# Altium PCB HACK_LINK_V1_new_power.PcbDoc (part 2 of 6)
Units mm, origin at the board's own origin, x right, y up, seen from the top; angles counter-clockwise.
Board outline 67.51 x 40.01 mm, 6 copper layers (L1, L2, L3, GND, POWER, L6); 277 components, 286 nets, 1682 pads, 596 vias.
Unrouted connection lines stored in the file: 4.
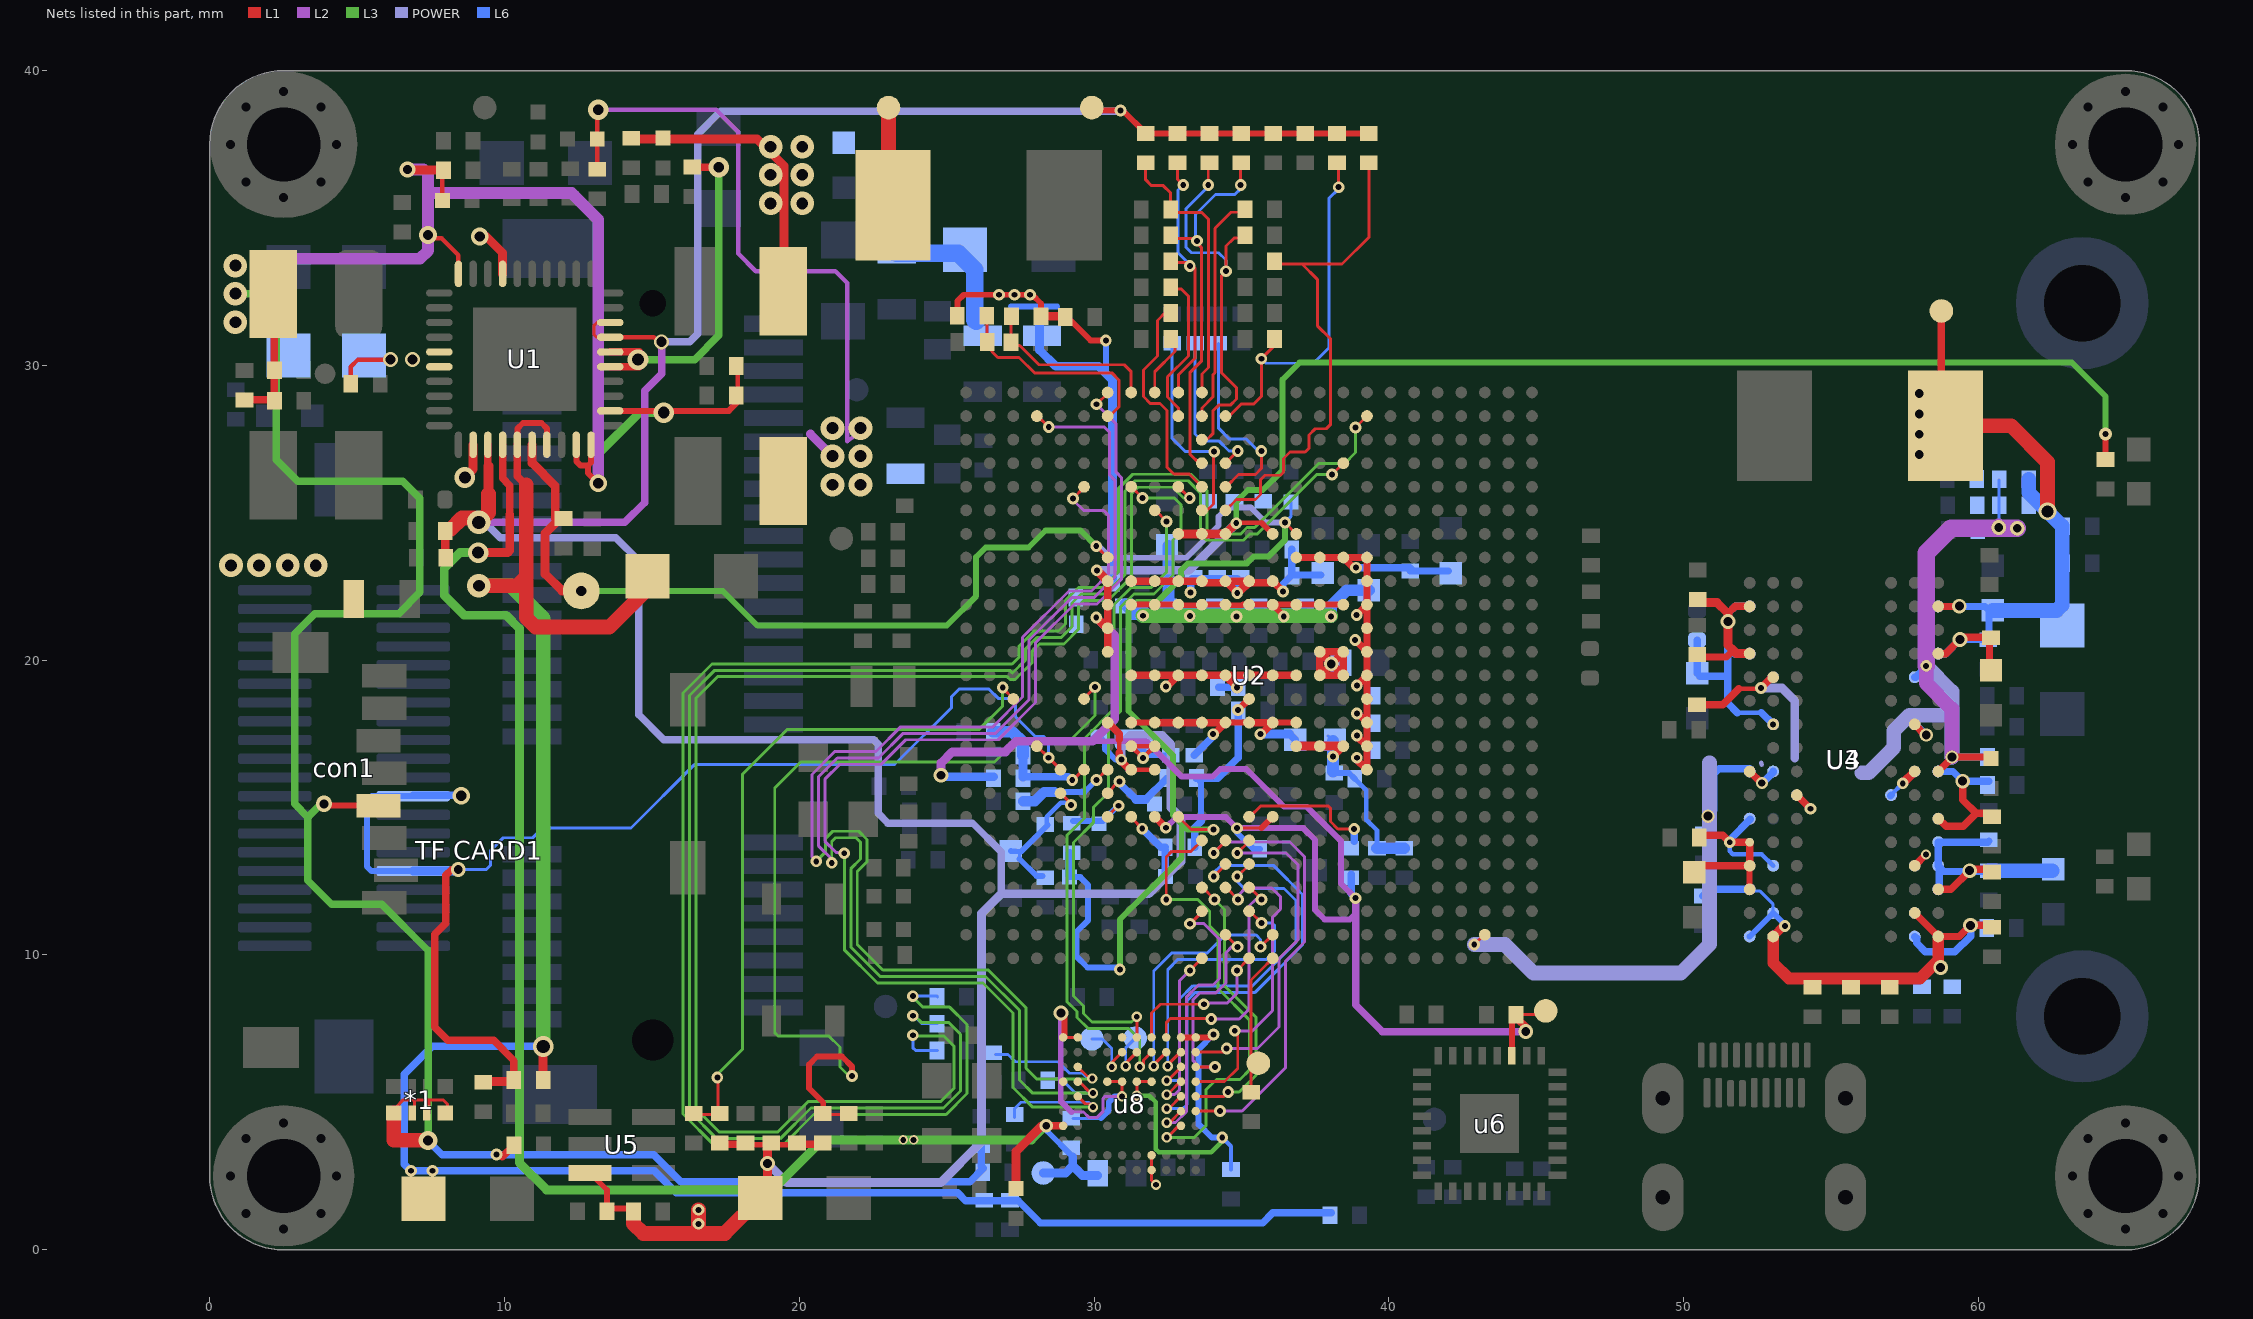
[diagram p6: the nets of this part, all layers, seen from the top]

## Part data
2: library part TSX-3225
*1: library part 0402_4R
+2V5 +3V0 +3V3 A_1V375 D_1V5 H_1V8 S_1V375 TP3 TP4 TP5 TP6: library part TESTLOOP, "TEST POINT PAD 0.5MM DIA SMT, NO PART TO ORDER"
C1 C2 C3 C4 C6 C9 C11 C12: library part C3216X5R1A107M, "CAP CER 100UF 10V X5R 20% 1206"
C5 C7 C8 C10 c13 C14 C15 C16 C17 C18 C27 C28 C29 C30 C31 C32 C33 C34 C35 C36 C37 C38 C39 C40 C41 C43 C46 C69 C70 C71 C72 C74 C75 C76 C78 C79 C80 C82 C83 C84 C85 C87 C88 C89 C90 C91 C95 C96 C97 C98 C99 C101 C103 C104 C106 C107 C108 C109 C110 C115 C116 C117 C118 C119 C120 C121 C122 C123 C124 C125 C126 C127 C128 C129 C132: library part C1005X5R1E224M, "CAP CER .22UF 25V X5R 20% 0402"
C19 C20 C26 C44 C47 C48 C49 c57 C58 C59 C64 C65 C67 C68: library part C1005X5R1H104K, "CAP CER .10UF 50V X5R 10% 0402"
C21: library part C1608X5R0J106M, "CAP CER 10UF 6.3V X5R 20% 0603"
C22: library part "Cap Pol1", "Polarized Capacitor (Radial)"
C23 C24 C25 C73 C77 C81 C86 C92 C93 C94 C100 C114 C130 C131: library part GRM188R60G226MEA0L, "CAP CER 22UF 4V 20% X5R 0603"
C42 C45: library part C1005X5R1A475M, "CAP CER 4.7UF 10V 20% X5R 0402"
C50 C54: library part CAP_NP, "CAP CER 4.7UF 6.3V 10% X5R 0603"
C52 C53 C56: library part CAP_NP, "CAP CER 100uF 10V 20% X5R 1206"
C55: library part CAP_NP, "CAP CER 0.1UF 16V 10% X7R 0402"
C60 C61 C62 C63 C133 C134 C135: library part C1005C0G1H180J, "CAP CER 18PF 50V C0G 5% 0402"
C66: library part GRM31CR6YA106KA12L, "CAP CER 10UF 35V X5R 1206"
C105 C111 C112: library part C2012X5R1C226K, "CAP CER 22UF 16V 10% X5R 0805"
D1 D2: "Typical INFRARED GaAs LED"
F1: library part "Fuse 1", "Fuse"
FB1: library part BLM18SG221TN1D, "FERRITE CHIP 220 OHM 2500MA 0603"
J1: library part MINI_PCI_LATCH_52P, "CON 2X26 MINI PCI EXPRESS SMT 0.8MM SP 1136H"
L1 L2 L3 L4: library part VLCF4020T-100MR85, "INDUCTOR POWER 10UH .85A SMD"
R1 R2 R3 R4 R5 R6 R7 R8 R9 R10 R11 R12 R13 R14 R15 R16 R17 R18 R19 R20 R39 R41 R65 R66: library part RC0402FR-0739KL, "RES 39.0K OHM 1/16W 1% 0402 SMD"
R21 R22 R32: library part CRCW0402200RFKED, "RES 200 OHM 1/16W 1% 0402 SMD"
R23 R24 R35 R36 R40 R42 R54 R83 R84 R96 R97: library part RC0402FR-0710KL, "RES 10.0K OHM 1/16W 1% 0402 SMD"
R25 R26 R27 R28 R29: library part RMCF0402FT240R, "RES TF 240 OHM 1% 0.0625W 0402"
R30 R31 R55: library part RC0402JR-070RL, "RES 0.0 OHM 1/16W 0402 SMD"
R33 R34: library part RC0402FR-0749R9L, "RES 49.9 OHM 1/16W 1% 0402 SMD"
R37 R38 R43: library part RC0402FR-0722RL, "RES 22.0 OHM 1/16W 1% 0402 SMD"
R44 R46 R47 R48 R49: library part RMCF0402FT100K, "RES 100K OHM 1/16W 1% 0402 SMD"
R45: library part RC0402FR-071KL, "RES 1.00K OHM 1/16W 1% 0402 SMD"
R50: library part CRCW04022M20FKED, "RES 2.20M OHM 1/16W 1% 0402 SMD"
R51 R52: library part Res1, "Resistor"
R53 R85 R95: library part RMCF0402FT4K99, "RES TF 4.99K OHM 1% 1/16W 0402"
R56: library part CRCW04022R20FKED, "RES 2.20 OHM 1/16W 1% 0402 SMD"
R57: library part RC0402FR-0710RL, "RES 10.0 OHM 1/16W 1% 0402 SMD"
R58 R59 R60 R61 R62 R63 R64 R67 R68 R69 R70 R71 R72 R73 R74 R105 R106: library part RC0402FR-071RL, "RES 1.00 OHM 1/16W 1% 0402 SM"
R75 R76 R77 R78 R79 R80 R81 R82: library part RES, "RES MF ZERO OHM 1/10W -- 0402"
R86 R87 R88 R89 R90 R91 R92 R93 R94 R98 R99 R100 R101 R102 R103 R104: library part RES, "RES MF 4.70K 1/16W 1% 0402"
SH1 SH2: library part RES_SHORT-2, "SOLDER SHORT 0805  SMT NO PART TO ORDER"
SW2: library part EDGE_MOUNT_PB_SW_2, "SW SPST NO PB 2.2N SIDE 12V 50MA SMT"
"TF CARD1": library part 47352-1001
TP1 TP_PCI_E_VCC1: library part "Test pad", "TEST POINT PAD 35 MIL SMT, NO PART TO ORDER"
U2: "IC MCU 32BIT ARM QUAD 624FCBGA"
U3 U4: library part 2G_DDR3_SDRAM_128MX16_96P, "IC MEM DDR3 SDRAM 2Gb 128MX16 1.35V FBGA96"
U5: library part TPS3808G09DBVR, "IC VOLT SUPERVISOR 0.9V SOT23-6"
Y1: library part ABS06-32.768KHZ-9-1-T, "CRYSTAL 32.768 KHZ 9.0 PF SMD"

## Free pads (board coordinates)
  round 4.8 hole 2.5: 0(2.5,2.5) 0(65,2.5) 0(65,37.5)
  round 5 hole 2.5: 0(2.5,37.5)
  round 0.8 smd: 0(21.425,24.125)
  round 4.5 smd far side: 3(63.529,7.915) 3(63.529,32.115)
  round 0 hole 0.3: 7(1.227,1.227) 7(1.227,36.227) 7(2.5,0.7) 7(2.5,35.7) 7(3.773,1.227) 7(3.773,36.227) 7(4.3,2.5) 7(4.3,37.5) 7(63.727,1.227) 7(63.727,36.227) 7(65,0.7) 7(65,35.7) 7(66.273,1.227) 7(66.273,36.227) 7(66.8,2.5) 7(66.8,37.5) 9(0.7,2.5) 9(0.7,37.5) 9(1.227,3.773) 9(1.227,38.773) 9(2.5,4.3) 9(2.5,39.3) 9(3.773,3.773) 9(3.773,38.773) 9(63.2,2.5) 9(63.2,37.5) 9(63.727,3.773) 9(63.727,38.773) 9(65,4.3) 9(65,39.3) 9(66.273,3.773) 9(66.273,38.773)
  round 0.7 smd: 9(3.906,29.719)
  rrect50% 2x3 on Mid1: 11(1.35,32.45) 11(8.9,20.125)
  rrect50% 3x4 on Mid1: 11(1.725,26.3) 11(19.65,36) 11(21.625,27.425)
  rrect50% 4x1 on Mid1: 11(2.15,23.2)

## Via types
v1: diameter 0.4, hole 0.2, L1 to L6, tented both sides, 388 vias
v2: diameter 0.35, hole 0.2, L1 to L6, tented both sides, 45 vias
v3: diameter 0.45, hole 0.2, L1 to L6, tented both sides, 34 vias
v4: diameter 0.5, hole 0.3, L1 to L6, tented both sides, 31 vias
v5: diameter 0.8, hole 0.4, L1 to L6, 26 vias
v6: diameter 0.325, hole 0.2, L1 to L6, tented both sides, 14 vias
v7: diameter 0.6, hole 0.35, L1 to L6, 8 vias
v8: diameter 0.6, hole 0.3, L1 to L6, tented both sides, 6 vias
v9: diameter 0.45, hole 0.3, L1 to L6, tented both sides, 6 vias
v10: diameter 0.7, hole 0.4, L1 to L6, 5 vias
v11: diameter 0.7, hole 0.35, L1 to L6, 5 vias
v12: diameter 0.3, hole 0.2, L1 to L6, tented both sides, 4 vias
v13: diameter 0.7, hole 0.45, L1 to L6, tented both sides, 3 vias
v14: diameter 0.55, hole 0.3, L1 to L6, 3 vias
v15: diameter 0.5, hole 0.35, L1 to L6, 3 vias
v16: diameter 0.6, hole 0.35, L1 to L6, tented both sides, 2 vias
v17: diameter 0.7, hole 0.3, L1 to L6, 2 vias
v18: diameter 0.55, hole 0.3, L1 to L6, tented both sides, 2 vias
v19: diameter 0.4, hole 0.25, L1 to L6, tented both sides, 2 vias
v20: diameter 0.65, hole 0.335, L1 to L6, tented both sides, 1 vias
v21: diameter 0.6, hole 0.4, L1 to L6, tented both sides, 1 vias
v22: diameter 0.8, hole 0.45, L1 to L6, 1 vias
v23: diameter 0.9, hole 0.9, L1 to L6, 1 vias
v24: diameter 0.7, hole 0.7, L1 to L6, 1 vias
v25: diameter 0.4, hole 0.3, L1 to L6, tented both sides, 1 vias
v26: diameter 0.45, hole 0.25, L1 to L6, tented both sides, 1 vias

## Nets (pads, with @x,y where several pads share a name; then routed paths per layer and width w, separated by ;. In a path a pad name is that pad's centre, name@x,y a point inside that pad or via, vN(x,y) a via of type N, cw(c..) or ccw(c..) an arc to the next point about the centre after c; other vN are vias at no path point)
7610-DVDD: R106.1 u8.F7 u8.G7 u8.J10 u8.K10 | length 12.3
  L1 w0.1: v2(31.45,5.225) u8.F7@31.45,5.7 u8.G7@31.95,5.7
  L1 w0.2: u8.J10@32.95,7.2 u8.K10@33.45,7.2 v1@33.95,7.2
  L3 w0.15: v2(31.45,5.225) 31.875,5.225 32.09,5.01 32.09,3.41 32.2,3.3 33.975,3.3 34.35,3.675 v1(34.35,3.8)
  L6 w0.15: v1(34.35,3.8) 34.646,3.504 R106.1@34.646,2.719
  L6 w0.2: v1(34.05,7.3) 33.55,6.8 33.55,4.25 34,3.8 v1(34.35,3.8)
7610_1V8: c13.1 C133.2 H_1V8.1 R63.1 U1.4 u8.A4 | length 54.5
  L1 w0.15: U1.4@9.932,27.309 U1.4@9.958,27.283
  L1 w0.25: 9.933,26.167 U1.4@9.933,27.283 ; v26@28.4,4.2 u8.A4@28.95,4.2
  L1 w0.254: 9.933,26.167 10.175,25.925 10.175,24.95
  L1 w0.3: v10(9.1,23.65) 10.1,23.65 10.175,23.725 10.175,24.95 ; c13.1@27.35,2.075 27.35,3.325 28.225,4.2 v26@28.4,4.2
  L3 w0.3: v10(9.1,23.65) 8.475,23.65 7.95,23.125 7.95,22.2 8.625,21.525 10.05,21.525 10.5,21.075 10.5,2.95 11.425,2.025 19.1,2.025 20.8,3.725 v6(23.525,3.725) v6(23.875,3.725) 27.875,3.725 v26@28.4,4.25
  L6 w0.2: v26@28.4,4.25 28.4,4.025 29.279,3.146
  L6 w0.3: H_1V8.1@28.275,2.6 29.033,2.6 29.279,2.846 ; 29.279,3.146 29.279,2.846 ; C133.2@30.121,2.513 29.612,2.513 29.279,2.846
  other v26: 28.375,4.2
7610_1V8_AVCC: u8.G1 u8.G2 | length 1.1
  L1 w0.1: u8.G2@31.95,3.2 u8.G1@31.95,2.7 31.95,2.352 v2(32.102,2.2)
7610_1V8VD: R63.2 u8.A10 u8.B10 u8.D7 u8.E7 | length 10.2
  L1 w0.1: u8.A10@29,7.25 u8.A10@28.95,7.2 u8.B10@29.45,7.2 ; u8.D7@30.45,5.7 u8.E7@30.95,5.7 v2(30.95,5.2)
  L1 w0.2: u8.A10@29,7.25 v4@29,8
  L2 w0.1: 29.23,4.67 29.641,4.67 29.822,4.489 30.108,4.489 30.31,4.691 30.31,5.135 30.375,5.2 v2(30.95,5.2)
  L2 w0.2: v4@28.87,7.95 28.87,5.03 29.23,4.67
  L6 w0.1: R63.2@29.279,4.456 30.231,4.456
  L6 w0.2: 30.231,4.456 30.5,4.725 30.5,5 30.7,5.2 v2(30.95,5.2)
  other v4: 28.876,8.025
7610_DE: u8.E10
7610_HSYNC: TP4.1 u8.F9 | length 1.7
  L1 w0.1: v2(31.075,6.225) 31.075,6.325 u8.F9@31.45,6.7
  L6 w0.1: v2(31.075,6.225) 31.075,6.85 TP4.1@31.4,7.175
7610_INT: u8.A7
7610_LRCLK: R71.2 U2.V24 | length 62.9
  L1 w0.1: v1(38.875,27.899) U2.V24@39.26,28.284
  L3 w0.1: v1@23.85,8.575 24.2,8.225 25.1,8.225 25.69,7.635 25.69,5.293 24.982,4.585 20.482,4.585 19.441,3.544 17.109,3.544 16.055,4.598 16.055,18.891 17.034,19.87 27.223,19.87 27.46,20.107 27.46,20.482 27.968,20.99 28.796,20.99 29.035,21.229 29.035,22.032 29.468,22.465 30.29,22.465 30.835,23.01 30.835,25.835 31.309,26.309 33.284,26.309 33.835,25.758 33.835,24.365 33.915,24.285 34.977,24.285 35.191,24.499 35.449,24.499 37.619,26.669 38.494,26.669 38.875,27.05 v1(38.875,27.899)
  L6 w0.1: v1(23.85,8.6) 24.673,8.6 R71.2@24.694,8.579
7610_MCLINK: R69.2 U2.K21 | length 50.7
  L1 w0.1: U2.K21@32.86,25.884 v1(33.245,25.499)
  L3 w0.1: v1@23.9,7.248 24.902,7.248 25.25,6.9 25.25,5.475 24.8,5.025 20.3,5.025 19.259,3.984 17.291,3.984 16.495,4.78 16.495,18.709 17.226,19.44 27.051,19.44 27.146,19.345 27.32,19.345 27.9,19.925 27.9,20.3 28.15,20.55 28.978,20.55 29.475,21.047 29.475,21.85 29.65,22.025 30.472,22.025 31.275,22.828 31.275,25.652 31.492,25.869 32.667,25.869 33.037,25.499 v1(33.245,25.499)
  L6 w0.1: v1(23.85,7.273) 23.85,6.85 23.946,6.754 R69.2@24.694,6.754
7610_OCLK: R73.1 TP5.1 U2.P1 | length 4.8
  L1 w0.1: R73.1@35.329,5.344 35.329,9.153 35.65,9.474 U2.P1@36.06,9.884
7610_P0: U2.H21 u8.F10 | length 24
  L1 w0.1: U2.H21@31.26,25.884 v1(31.645,25.499) ; u8.F10@31.45,7.2 v2(31.45,7.9)
  L3 w0.1: v2(31.45,7.9) 31.27,7.72 29.93,7.72 29.64,8.01 29.64,8.265 29.3,8.605 29.3,13.812 29.975,14.487 29.975,15 30.49,15.515 30.49,17.615 30.675,17.8 30.675,18.039 30.901,18.265 30.901,21.797 31.353,22.249 32.035,22.249 32.681,22.895 32.681,24.081 32.95,24.35 32.95,25.275 32.716,25.509 v1@31.661,25.509
7610_P1: U2.J20 u8.G9 | length 23.3
  L1 w0.1: v2@31.675,6.2 31.675,6.425 u8.G9@31.95,6.7 ; U2.J20@32.076,25.094 v1(32.461,24.709)
  L3 w0.1: v2(31.55,6.2) 31.55,7.125 31.175,7.5 29.8,7.5 29.42,7.88 29.42,8.076 29.075,8.421 29.075,14.05 29.671,14.646 29.671,17.346 30.681,18.356 30.681,21.888 31.262,22.469 31.944,22.469 32.461,22.986 v1(32.461,24.709)
7610_P2: U2.N1 u8.G10 | length 5.2
  L1 w0.1: u8.G10@31.95,7.2 31.95,8.025 32.25,8.325 32.85,8.325 v1@33.625,8.325 ; v1(34.85,9.474) U2.N1@35.26,9.884
  L2 w0.1: v1@33.725,8.375 34.525,8.375 34.85,8.7 v1(34.85,9.474)
  other v1: 33.725,8.325
7610_P3: U2.P2 u8.H9 | length 8.9
  L1 w0.1: v2@32.075,6.225 32.075,6.325 u8.H9@32.45,6.7 ; v1(35.65,10.274) U2.P2@36.06,10.684
  L6 w0.1: v2(32.025,6.225) 32.025,9.45 32.645,10.07 33.845,10.07 34.45,10.675 35.5,10.675 35.65,10.525 v1(35.65,10.274)
7610_P4: U2.N4 u8.H10 | length 8.1
  L1 w0.1: u8.H10@32.45,7.2 32.45,7.7 32.587,7.838 v1@33.863,7.838 ; U2.N4@35.276,12.294 v1(35.686,11.884)
  L2 w0.1: v1@33.863,7.838 33.875,7.825 34.925,7.825 35.25,8.15 35.25,10.919 35.256,10.925 35.256,11.656 35.484,11.884 v1(35.686,11.884)
  other v1: 33.977,7.825
7610_P5: U2.N3 u8.J9 | length 9.7
  L1 w0.1: v2@32.515,6.29 32.925,6.7 u8.J9@32.95,6.7 ; U2.N3@35.276,11.494 v1(35.686,11.084)
  L6 w0.1: v2(32.5,6.225) 32.5,9.5 32.85,9.85 35.85,9.85 36.116,10.116 36.116,11.009 36.041,11.084 v1(35.686,11.084)
7610_P6: U2.N6 u8.K9 | length 11.8
  L1 w0.1: u8.K9@33.45,6.7 34.375,6.7 v1(34.5,6.825) ; v1(34.86,13.458) U2.N6@35.27,13.868
  L2 w0.1: v1(34.5,6.825) 35.55,6.825 36.276,7.551 36.276,9.876 36.925,10.525 36.925,13.05 36.517,13.458 v1(34.86,13.458)
7610_P7: U2.N5 u8.J8 | length 13.1
  L1 w0.1: v2@32.425,5.75 32.513,5.75 32.95,6.187 u8.J8@32.95,6.2 ; v1(34.86,12.658) U2.N5@35.27,13.068
  L6 w0.1: v2(32.465,5.734) 32.834,5.734 32.9,5.8 32.9,8.5 33.35,8.95 35.375,8.95 36.856,10.431 36.856,11.844 36.446,12.254 35.096,12.254 34.86,12.49 v1(34.86,12.658)
7610_P8: U2.M2 u8.K8 | length 7
  L1 w0.1: u8.K8@33.45,6.2 v1(34.1,6.2) ; U2.M2@34.46,10.684 v1(34.87,10.274)
  L2 w0.1: v1(34.1,6.2) 33.575,6.2 33.35,6.425 33.35,8.473 33.577,8.7 34.125,8.7 34.475,9.05 34.475,10.075 34.674,10.274 v1(34.87,10.274)
7610_P9: U2.L1 u8.J7 | length 5.9
  L1 w0.1: v2@32.525,5.3 32.925,5.7 u8.J7@32.95,5.7 ; v1(33.25,9.474) U2.L1@33.66,9.884
  L2 w0.1: v2(32.465,5.259) 32.734,5.259 32.9,5.425 32.9,9.124 v1(33.25,9.474)
7610_P10: U2.M4 u8.K7 | length 11
  L1 w0.1: u8.K7@33.45,5.7 34.425,5.7 34.875,6.15 34.875,7.4 v1@34.75,7.525 ; U2.M4@34.476,12.294 v1(34.886,11.884)
  L2 w0.1: v1(34.775,7.425) 35.375,7.425 36.056,8.106 36.056,11.281 36.325,11.55 36.325,11.975 36.025,12.275 35.15,12.275 34.886,12.011 v1(34.886,11.884)
7610_P11: U2.M5 u8.J6 | length 15.5
  L1 w0.1: v2@32.54,4.79 u8.J6@32.95,5.2 ; v1(34.06,12.658) U2.M5@34.47,13.068
  L6 w0.1: v2(32.465,4.784) 33.009,4.784 33.15,4.925 33.15,8.439 33.441,8.73 35.466,8.73 37.076,10.34 37.076,12.049 36.097,13.028 34.303,13.028 34.06,12.785 v1(34.06,12.658)
7610_P12: U2.L4 u8.K6 | length 9.5
  L1 w0.1: u8.K6@33.45,5.2 34.4,5.2 v1(34.55,5.35) ; U2.L4@33.676,12.294 v1(34.086,11.884)
  L3 w0.1: v1(34.086,11.884) 34.425,11.545 34.425,8.95 35.5,7.875 35.5,5.925 34.925,5.35 v1(34.55,5.35)
7610_P13: U2.L3 u8.J5 | length 9.7
  L1 w0.1: v2@32.59,4.34 u8.J5@32.95,4.7 ; v1(33.26,11.058) U2.L3@33.67,11.468
  L2 w0.1: v2(32.465,4.309) 32.759,4.309 33.13,4.68 33.13,8.564 33.546,8.98 34.035,8.98 34.255,9.2 34.255,10.531 33.728,11.058 v1(33.26,11.058)
7610_P14: U2.M6 u8.K5 | length 15.1
  L1 w0.1: u8.K5@33.45,4.7 v1(34.275,4.7) ; v1(34.06,13.458) U2.M6@34.47,13.868
  L2 w0.1: v1(34.06,13.458) 34.43,13.828 36.647,13.828 37.145,13.33 37.145,10.434 36.496,9.785 36.496,6.171 35.025,4.7 v1(34.275,4.7)
7610_P15: U2.L6 u8.J4 | length 15.7
  L1 w0.1: v1@32.475,11.85 v1(32.45,11.875) 32.45,13.325 32.639,13.514 33.29,13.514 U2.L6@33.66,13.884 ; v2@32.55,3.725 32.55,3.875 32.875,4.2 u8.J4@32.95,4.2
  L3 w0.1: v1(32.45,11.875) 33.525,11.875 33.925,11.475 33.925,10.98 34.205,10.7 34.205,8.859 35.28,7.784 35.28,6.105 34.95,5.775 34.15,5.775 33.8,5.425 33.8,4.2 33.409,3.809 v2(32.465,3.809)
7610_RESET: R64.2 U2.G25 u8.B6 | length 43.1
  L1 w0.1: u8.B6@29.45,5.2 29.7,4.95 29.874,4.95 v2@29.99,4.834 ; v1(30.085,28.683) U2.G25@30.47,29.068
  L2 w0.1: v1@21.55,13.475 21.25,13.475 20.865,13.86 20.865,15.957 21.378,16.47 22.778,16.47 23.608,17.3 26.75,17.3 28.015,18.565 28.015,20.593 29.332,21.91 30.1,21.91 30.925,22.735 30.925,26.2 30.75,26.375 30.75,28.018 v1(30.085,28.683)
  L3 w0.1: v1(21.525,13.45) 21.525,10.175 22.65,9.05 26.228,9.05 27.25,8.028 27.25,5.5 27.916,4.834 v2(29.965,4.834)
  L6 w0.1: R64.2@27.304,4.481 27.304,4.779 27.525,5 29.799,5 v2(29.965,4.834)
7610_SCL: R65.2 U2.F21 u8.B8 | length 42.7
  L1 w0.1: v1(29.285,25.483) U2.F21@29.67,25.868 ; u8.B8@29.45,6.2 29.775,5.875 v2@30,5.875
  L2 w0.1: v1(20.575,13.175) 20.425,13.325 20.425,16.125 21.2,16.9 22.6,16.9 23.44,17.74 26.568,17.74 27.575,18.747 27.575,20.775 29.15,22.35 29.917,22.35 30.485,22.918 30.485,24.915 30.325,25.075 29.65,25.075 29.285,25.44 v1(29.285,25.483)
  L3 w0.1: v1(20.575,13.175) 20.88,13.48 20.88,13.941 21.134,14.195 22.016,14.195 22.295,13.916 22.295,13.159 21.965,12.829 21.965,10.357 22.832,9.49 26.41,9.49 27.69,8.21 27.69,6.155 28.061,5.784 v2@29.965,5.784
  L6 w0.1: R65.2@26.654,6.621 27.079,6.621 27.325,6.375 28.775,6.375 29.165,5.985 29.613,5.985 29.814,5.784 v2@29.965,5.784
  other v2: 29.94,5.809
7610_SCLK: R70.2 U2.U22 | length 59.4
  L1 w0.1: v1(38.075,26.299) U2.U22@38.46,26.684
  L3 w0.1: v1@23.925,7.925 24.15,7.7 25.075,7.7 25.47,7.305 25.47,5.384 24.891,4.805 20.391,4.805 19.35,3.764 17.2,3.764 16.275,4.689 16.275,18.8 17.13,19.655 27.14,19.655 27.226,19.569 27.233,19.569 27.68,20.016 27.68,20.391 28.059,20.77 28.887,20.77 29.255,21.138 29.255,21.941 29.559,22.245 30.381,22.245 31.055,22.919 31.055,25.743 31.401,26.089 33.193,26.089 33.615,25.667 33.615,24.28 33.826,24.069 35.067,24.069 35.281,24.283 35.538,24.283 37.554,26.299 v1(38.075,26.299)
  L6 w0.1: v1(23.85,7.936) 23.889,7.936 24.159,7.666 R70.2@24.694,7.666
7610_SDA: R66.2 U2.D24 u8.B7 | length 44.6
  L1 w0.1: U2.D24@28.076,28.294 v1(28.461,27.909) ; u8.B7@29.45,5.7 29.5,5.7 29.891,5.309 v2(29.965,5.309)
  L2 w0.1: v1@21.1,13.075 21.1,13.25 20.645,13.705 20.645,16.041 21.289,16.685 22.689,16.685 23.524,17.52 26.659,17.52 27.795,18.656 27.795,20.684 29.241,22.13 30.008,22.13 30.705,22.827 30.705,26.109 30.53,26.284 30.53,27.725 30.346,27.909 v1(28.461,27.909)
  L3 w0.1: v1@21.1,13.075 21.1,13.85 21.225,13.975 21.925,13.975 22.075,13.825 22.075,13.25 21.745,12.92 21.745,10.266 22.741,9.27 26.319,9.27 27.47,8.119 27.47,5.755 27.916,5.309 v2(29.965,5.309)
  L6 w0.1: R66.2@28.331,5.796 28.879,5.796 29.366,5.309 v2(29.965,5.309)
  other v1: 21.1,13.125
7610_VSYNC: TP3.1 u8.E9 | length 2.1
  L1 w0.1: v2(30.6,6.2) 30.6,6.35 u8.E9@30.95,6.7
  L6 w0.1: TP3.1@29.925,7.15 30.275,7.15 30.6,6.825 v2(30.6,6.2)
+1V1_NVCC_PLL_OUT: C114.1 R56.2 R57.2 U2.E8 | length 4.9
  L1 w0.1: U2.E8@28.85,15.5 v1@29.191,15.159
  L6 w0.1: C114.1@27.175,13.525 27.473,13.525 C114.1@27.473,13.252
  L6 w0.154: R56.2@28.389,14.465 28.389,14.689 28.864,15.164 v1@29.191,15.164
  L6 w0.2: C114.1@27.175,13.525 27.523,13.5 R56.2@28.429,14.406 ; C114.1@27.473,13.252 28.044,12.681 R57.2@28.254,12.681
  other v1: 29.216,15.084
+1V1_VDDSOC_CAP: C42.1 C82.1 C83.1 C84.1 C85.1 C86.1 C103.1 FB1.1 R30.1 U2.N12 U2.R10 U2.T10 U2.T13 U2.T14 U2.U10 U2.U13 U2.U14 | length 19.6
  L1 w0.25: v1(34.885,18.309) U2.N12@35.26,18.684 ; v1(38.11,16.734) U2.U10@38.46,17.084 ; U2.U14@38.41,20.284 U2.T14@37.66,20.284 ; U2.T13@37.66,19.484 U2.T14@37.66,20.284 ; U2.T13@37.66,19.484 v4@38.06,19.884 ; U2.T13@37.66,19.484 U2.U13@38.46,19.484 ; U2.T14@37.66,20.284 v4@38.06,19.884 ; v4@38.06,19.884 U2.U14@38.46,20.284 U2.U13@38.46,19.484 ; v4@38.06,19.884 U2.U13@38.46,19.484
  L1 w0.3: U2.R10@36.86,17.084 U2.T10@37.66,17.084 U2.U10@38.46,17.084
  L6 w0.1: C86.1@37.945,17.425 C86.1@38.11,17.26 ; C85.1@38.11,16.215 C85.1@38.15,16.175
  L6 w0.154: C84.1@38.85,15.975 39.238,15.587 39.238,14.587 39.6,14.225 C83.1@39.6,13.619
  L6 w0.2: FB1.1@33.475,16 33.635,15.84 33.635,14.535 ; C85.1@38.15,16.175 38.65,16.175 C84.1@38.85,15.975
  L6 w0.254: R30.1@33.419,13.654 33.419,14.319 33.635,14.535 ; FB1.1@33.475,16 34.2,16 34.885,16.685 v1(34.885,18.309)
  L6 w0.4: C85.1@38.11,16.215 v1(38.11,16.734) C86.1@38.11,17.26 ; C83.1@39.6,13.619 C103.1@40.525,13.619
  other v4: 38.05,19.875
+1V2_VDD_ARM_CAP: C74.1 C75.1 C76.1 C77.1 U2.H11 U2.H13 U2.J11 U2.J13 U2.K11 U2.K13 U2.L11 U2.L13 U2.M11 U2.M13 U2.N11 U2.N13 U2.P11 U2.P13 U2.R11 U2.R13 | length 16.4
  L1 w0.2: U2.H11@31.26,17.884 U2.J11@32.06,17.884 ; U2.M11@34.46,17.884 U2.N11@35.26,17.884 ; U2.P11@36.06,17.884 U2.R11@36.86,17.884